# Allegro board PCIe3_0_X16_V1_0-166-20240802_20240828_pcb.brd (continued)
## Nets (continued)
FPGA_DDR4_2_DQ67: U1.AW22(IO_L24P_T3U_N10_66) U13.H7(DQ3)
FPGA_DDR4_2_DQ68: U1.AU18(IO_L23N_T3U_N9_66) U13.H2(DQ4)
FPGA_DDR4_2_DQ69: U1.AT22(IO_L20P_T3L_N2_AD1P_66) U13.H8(DQ5)
FPGA_DDR4_2_DQ70: U1.AU19(IO_L23P_T3U_N8_66) U13.J3(DQ6)
FPGA_DDR4_2_DQ71: U1.AW21(IO_L24N_T3U_N11_66) U13.J7(DQ7)
FPGA_DDR4_2_LDM1_N: U1.AG14(IO_L1P_T0L_N0_DBC_67) U9.E7(LDM_N/LDBI_N)
FPGA_DDR4_2_LDM2_N: U1.AP16(IO_L13P_T2L_N0_GC_QBC_67) U10.E7(LDM_N/LDBI_N)
FPGA_DDR4_2_LDM3_N: U1.AG12(IO_L1P_T0L_N0_DBC_68) U11.E7(LDM_N/LDBI_N)
FPGA_DDR4_2_LDM4_N: U1.AR9(IO_L13P_T2L_N0_GC_QBC_68) U12.E7(LDM_N/LDBI_N)
FPGA_DDR4_2_LDM5_N: U1.AU20(IO_L19P_T3L_N0_DBC_AD9P_66) U13.E7(LDM_N/LDBI_N)
FPGA_DDR4_2_LDQS1_C: U1.AH15(IO_L4N_T0U_N7_DBC_AD7N_67) U9.F3(LDQS_C)
FPGA_DDR4_2_LDQS1_T: U1.AH16(IO_L4P_T0U_N6_DBC_AD7P_67) U9.G3(LDQS_T)
FPGA_DDR4_2_LDQS2_C: U1.AT13(IO_L16N_T2U_N7_QBC_AD3N_67) U10.F3(LDQS_C)
FPGA_DDR4_2_LDQS2_T: U1.AR13(IO_L16P_T2U_N6_QBC_AD3P_67) U10.G3(LDQS_T)
FPGA_DDR4_2_LDQS3_C: U1.AH9(IO_L4N_T0U_N7_DBC_AD7N_68) U11.F3(LDQS_C)
FPGA_DDR4_2_LDQS3_T: U1.AG9(IO_L4P_T0U_N6_DBC_AD7P_68) U11.G3(LDQS_T)
FPGA_DDR4_2_LDQS4_C: U1.AN11(IO_L16N_T2U_N7_QBC_AD3N_68) U12.F3(LDQS_C)
FPGA_DDR4_2_LDQS4_T: U1.AN12(IO_L16P_T2U_N6_QBC_AD3P_68) U12.G3(LDQS_T)
FPGA_DDR4_2_LDQS5_C: U1.AV21(IO_L22N_T3U_N7_DBC_AD0N_66) U13.F3(LDQS_C)
FPGA_DDR4_2_LDQS5_T: U1.AV22(IO_L22P_T3U_N6_DBC_AD0P_66) U13.G3(LDQS_T)
FPGA_DDR4_2_ODT: R147.1 U1.AK20(IO_L8P_T1L_N2_AD5P_66) U9.K3(ODT) U10.K3(ODT) U11.K3(ODT) U12.K3(ODT) U13.K3(ODT)
FPGA_DDR4_2_PAR: R148.1 U1.AG19(IO_L1P_T0L_N0_DBC_66) U9.T3(PAR) U10.T3(PAR) U11.T3(PAR) U12.T3(PAR) U13.T3(PAR)
FPGA_DDR4_2_RAS_N: R138.1 U1.AN19(IO_L11N_T1U_N9_GC_66) U9.L8(RAS_N/A16) U10.L8(RAS_N/A16) U11.L8(RAS_N/A16) U12.L8(RAS_N/A16) U13.L8(RAS_N/A16)
FPGA_DDR4_2_RESET_N: R115.1 U1.AN20(IO_L14N_T2L_N3_GC_66) U9.P1(RESET_N) U10.P1(RESET_N) U11.P1(RESET_N) U12.P1(RESET_N) U13.P1(RESET_N)
FPGA_DDR4_2_UDM1_N: U1.AK15(IO_L7P_T1L_N0_QBC_AD13P_67) U9.E2(UDM_N/UDBI_N)
FPGA_DDR4_2_UDM2_N: U1.AV16(IO_L19P_T3L_N0_DBC_AD9P_67) U10.E2(UDM_N/UDBI_N)
FPGA_DDR4_2_UDM3_N: U1.AL12(IO_L7P_T1L_N0_QBC_AD13P_68) U11.E2(UDM_N/UDBI_N)
FPGA_DDR4_2_UDM4_N: U1.AU9(IO_L19P_T3L_N0_DBC_AD9P_68) U12.E2(UDM_N/UDBI_N)
FPGA_DDR4_2_UDQS1_C: U1.AL16(IO_L10N_T1U_N7_QBC_AD4N_67) U9.A7(UDQS_C)
FPGA_DDR4_2_UDQS1_T: U1.AK16(IO_L10P_T1U_N6_QBC_AD4P_67) U9.B7(UDQS_T)
FPGA_DDR4_2_UDQS2_C: U1.AV17(IO_L22N_T3U_N7_DBC_AD0N_67) U10.A7(UDQS_C)
FPGA_DDR4_2_UDQS2_T: U1.AU17(IO_L22P_T3U_N6_DBC_AD0P_67) U10.B7(UDQS_T)
FPGA_DDR4_2_UDQS3_C: U1.AN7(IO_L10N_T1U_N7_QBC_AD4N_68) U11.A7(UDQS_C)
FPGA_DDR4_2_UDQS3_T: U1.AM7(IO_L10P_T1U_N6_QBC_AD4P_68) U11.B7(UDQS_T)
FPGA_DDR4_2_UDQS4_C: U1.AU12(IO_L22N_T3U_N7_DBC_AD0N_68) U12.A7(UDQS_C)
FPGA_DDR4_2_UDQS4_T: U1.AT12(IO_L22P_T3U_N6_DBC_AD0P_68) U12.B7(UDQS_T)
FPGA_DDR4_2_WE_N: R135.1 U1.AJ22(IO_L6N_T0U_N11_AD6N_66) U9.L2(WE_N/A14) U10.L2(WE_N/A14) U11.L2(WE_N/A14) U12.L2(WE_N/A14) U13.L2(WE_N/A14)
FPGA_DDR4_CLK_1_200M_N: C372.2(CAP1) R39.1 R40.2 R42.2 U1.H31(IO_L12N_T1U_N11_GC_44)
FPGA_DDR4_CLK_1_200M_P: C373.2(CAP1) R38.1 R40.1 R41.2 U1.J31(IO_L12P_T1U_N10_GC_44)
FPGA_DDR4_CLK_2_200M_N: C370.2(CAP1) R63.1 R64.2 R66.2 U1.AM20(IO_L12N_T1U_N11_GC_66)
FPGA_DDR4_CLK_2_200M_P: C371.2(CAP1) R62.1 R64.1 R65.2 U1.AL20(IO_L12P_T1U_N10_GC_66)
FPGA_DONE: Q1.1(GATE) R3.2 U1.U9(DONE_0)
FPGA_EMCCLK: R21.2 R23.2
FPGA_INIT_B: R2.2 R5.1 U1.T10(INIT_B_0)
FPGA_M0: R11.2 R12.2 U1.P9(M0_0)
FPGA_M1: R14.2 R16.2 U1.P8(M1_0)
FPGA_M2: R17.2 R20.2 U1.P10(M2_0)
FPGA_PCIE_RST_N: U1.K12(IO_T1U_N12_47) U19.4(A2)
FPGA_PCIE_SMCLK: U1.N13(IO_T0U_N12_VRP_47) U18.5(A1)
FPGA_PCIE_SMDAT: U1.K11(IO_L6P_T0U_N10_AD6P_47) U18.4(A2)
FPGA_PCIE_WAKE_N: U1.N12(IO_L1P_T0L_N0_DBC_47) U19.5(A1)
FPGA_POR_OVERRIDE: R13.1 R15.1 U1.V8(POR_OVERRIDE)
FPGA_PROGRAM_B: R1.2 U1.V10(PROGRAM_B_0)
FPGA_PUDC_B: R18.2 R19.2 U1.U8(PUDC_B_0)
FPGA_QSFP_CLK_156P25M_N: C15.2(CAP1) U1.N34(MGTREFCLK0N_128)
FPGA_QSFP_CLK_156P25M_P: C14.2(CAP1) U1.N33(MGTREFCLK0P_128)
FPGA_QSFP_IIC_SCL: J3.11(SCL) R153.2 U14.20(B1)
FPGA_QSFP_IIC_SCL_1V8: U1.D9(IO_L19P_T3L_N0_DBC_AD9P_47) U14.1(A1)
FPGA_QSFP_IIC_SDA: J3.12(SDA) R154.2 U14.18(B2)
FPGA_QSFP_IIC_SDA_1V8: U1.C9(IO_L19N_T3L_N1_DBC_AD9N_47) U14.3(A2)
FPGA_QSFP_INTL: J3.28(INTL) R158.2 U14.14(B6)
FPGA_QSFP_INTL_1V8: U1.A9(IO_L20N_T3L_N3_AD1N_47) U14.7(A6)
FPGA_QSFP_LPMODE: J3.31(LPMODE) U14.13(B7)
FPGA_QSFP_LPMODE_1V8: U1.A10(IO_L22N_T3U_N7_DBC_AD0N_47) U14.8(A7)
FPGA_QSFP_MODPRSL: J3.27(MODPRSL) R157.2 U14.15(B5)
FPGA_QSFP_MODPRSL_1V8: U1.B10(IO_L22P_T3U_N6_DBC_AD0P_47) U14.6(A5)
FPGA_QSFP_MODSELL: J3.8(MODSELL) R155.2 U14.17(B3)
FPGA_QSFP_MODSELL_1V8: U1.B11(IO_L21N_T3L_N5_AD8N_47) U14.4(A3)
FPGA_QSFP_RESETL: J3.9(RESETL) R156.2 U14.16(B4)
FPGA_QSFP_RESETL_1V8: U1.B9(IO_L20P_T3L_N2_AD1P_47) U14.5(A4)
FPGA_QSFP_RX_0_N: J3.18(RX1N) U1.G39(MGTYRXN0_128)
FPGA_QSFP_RX_0_P: J3.17(RX1P) U1.G38(MGTYRXP0_128)
FPGA_QSFP_RX_1_N: J3.21(RX2N) U1.E39(MGTYRXN1_128)
FPGA_QSFP_RX_1_P: J3.22(RX2P) U1.E38(MGTYRXP1_128)
FPGA_QSFP_RX_2_N: J3.15(RX3N) U1.C39(MGTYRXN2_128)
FPGA_QSFP_RX_2_P: J3.14(RX3P) U1.C38(MGTYRXP2_128)
FPGA_QSFP_RX_3_N: J3.24(RX4N) U1.B37(MGTYRXN3_128)
FPGA_QSFP_RX_3_P: J3.25(RX4P) U1.B36(MGTYRXP3_128)
FPGA_QSFP_TX_0_N: J3.37(TX1N) U1.F36(MGTYTXN0_128)
FPGA_QSFP_TX_0_P: J3.36(TX1P) U1.F35(MGTYTXP0_128)
FPGA_QSFP_TX_1_N: J3.2(TX2N) U1.D36(MGTYTXN1_128)
FPGA_QSFP_TX_1_P: J3.3(TX2P) U1.D35(MGTYTXP1_128)
FPGA_QSFP_TX_2_N: J3.34(TX3N) U1.C34(MGTYTXN2_128)
FPGA_QSFP_TX_2_P: J3.33(TX3P) U1.C33(MGTYTXP2_128)
FPGA_QSFP_TX_3_N: J3.5(TX4N) U1.A34(MGTYTXN3_128)
FPGA_QSFP_TX_3_P: J3.6(TX4P) U1.A33(MGTYTXP3_128)
FPGA_REFCLK1_156P25M_N: C17.2(CAP1) R46.1 R48.2 U20.12(OUT1_N)
FPGA_REFCLK1_156P25M_P: C16.2(CAP1) R45.1 R47.2 U20.11(OUT1_P)
FPGA_REFCLK2_200M_N: C19.2(CAP1) R54.1 R57.2 U23.12(OUT1_N)
FPGA_REFCLK2_200M_P: C20.2(CAP1) R53.1 R56.2 U23.11(OUT1_P)
FPGA_SFP0_IIC_SCL: P1.A4(A_SDA) R165.2 U15.20(B1)
FPGA_SFP0_IIC_SCL_1V8: U1.H7(IO_L7N_T1L_N1_QBC_AD13N_47) U15.1(A1)
FPGA_SFP0_IIC_SDA: P1.A5(A_SCL) R166.2 U15.18(B2)
FPGA_SFP0_IIC_SDA_1V8: U1.D10(IO_T2U_N12_47) U15.3(A2)
FPGA_SFP0_LOS: P1.A8(A_LOS) R169.2 U15.14(B6)
FPGA_SFP0_LOS_1V8: U1.C11(IO_L21P_T3L_N4_AD8P_47) U15.7(A6)
FPGA_SFP0_MOD_DETECT: P1.A6(A_MOD_ABS) R167.2 U15.15(B5)
FPGA_SFP0_MOD_DETECT_1V8: U1.F7(IO_L16N_T2U_N7_QBC_AD3N_47) U15.6(A5)
FPGA_SFP0_RS0: P1.A7(A_RS0) R161.2 R168.2
FPGA_SFP0_RS1: P1.A9(A_RS1) R162.2 R163.2
FPGA_SFP0_TX_DISABLE: P1.A3(A_TX_DISABLE) R160.2 U15.16(B4)
FPGA_SFP0_TX_DISABLE_1V8: U1.F8(IO_L15P_T2L_N4_AD11P_47) U15.5(A4)
FPGA_SFP0_TX_FAULT: P1.A2(A_TX_FAULT) R159.2 U15.17(B3)
FPGA_SFP0_TX_FAULT_1V8: U1.G7(IO_L16P_T2U_N6_QBC_AD3P_47) U15.4(A3)
FPGA_SFP1_IIC_SCL: P1.B4(B_SDA) R172.2 U15.13(B7)
FPGA_SFP1_IIC_SCL_1V8: U1.E8(IO_L15N_T2L_N5_AD11N_47) U15.8(A7)
FPGA_SFP1_IIC_SDA: P1.B5(B_SCL) R164.2 U15.12(B8)
FPGA_SFP1_IIC_SDA_1V8: U1.B12(IO_L23N_T3U_N9_47) U15.9(A8)
FPGA_SFP1_LOS: P1.B8(B_LOS) R178.2 U16.16(B4)
FPGA_SFP1_LOS_1V8: U1.L10(IO_L5P_T0U_N8_AD14P_47) U16.5(A4)
FPGA_SFP1_MOD_DETECT: P1.B6(B_MOD_ABS) R173.2 U16.17(B3)
FPGA_SFP1_MOD_DETECT_1V8: U1.M9(IO_L2N_T0L_N3_47) U16.4(A3)
FPGA_SFP1_RS0: P1.B7(B_RS0) R174.2 R175.2
FPGA_SFP1_RS1: P1.B9(B_RS1) R176.2 R177.2
FPGA_SFP1_TX_DISABLE: P1.B3(B_TX_DISABLE) R171.2 U16.18(B2)
FPGA_SFP1_TX_DISABLE_1V8: U1.N9(IO_L2P_T0L_N2_47) U16.3(A2)
FPGA_SFP1_TX_FAULT: P1.B2(B_TX_FAULT) R170.2 U16.20(B1)
FPGA_SFP1_TX_FAULT_1V8: U1.L9(IO_L5N_T0U_N9_AD14N_47) U16.1(A1)
FPGA_SFP2_IIC_SCL: P1.C4(C_SDA) R181.2 U16.15(B5)
FPGA_SFP2_IIC_SCL_1V8: U1.K10(IO_L6N_T0U_N11_AD6N_47) U16.6(A5)
FPGA_SFP2_IIC_SDA: P1.C5(C_SCL) R182.2 U16.14(B6)
FPGA_SFP2_IIC_SDA_1V8: U1.M10(IO_L3N_T0L_N5_AD15N_47) U16.7(A6)
FPGA_SFP2_LOS: P1.C8(C_LOS) R188.2 U17.18(B2)
FPGA_SFP2_LOS_1V8: U1.E11(IO_L17P_T2U_N8_AD10P_47) U17.3(A2)
FPGA_SFP2_MOD_DETECT: P1.C6(C_MOD_ABS) R183.2 U17.20(B1)
FPGA_SFP2_MOD_DETECT_1V8: U1.H9(IO_L8P_T1L_N2_AD5P_47) U17.1(A1)
FPGA_SFP2_RS0: P1.C7(C_RS0) R184.2 R185.2
FPGA_SFP2_RS1: P1.C9(C_RS1) R186.2 R187.2
FPGA_SFP2_TX_DISABLE: P1.C3(C_TX_DISABLE) R180.2 U16.12(B8)
FPGA_SFP2_TX_DISABLE_1V8: U1.N11(IO_L1N_T0L_N1_DBC_47) U16.9(A8)
FPGA_SFP2_TX_FAULT: P1.C2(C_TX_FAULT) R179.2 U16.13(B7)
FPGA_SFP2_TX_FAULT_1V8: U1.M11(IO_L3P_T0L_N4_AD15P_47) U16.8(A7)
FPGA_SFP3_IIC_SCL: P1.D4(D_SDA) R191.2 U17.17(B3)
FPGA_SFP3_IIC_SCL_1V8: U1.D11(IO_L17N_T2U_N9_AD10N_47) U17.4(A3)
FPGA_SFP3_IIC_SDA: P1.D5(D_SCL) R192.2 U17.16(B4)
FPGA_SFP3_IIC_SDA_1V8: U1.J10(IO_L9P_T1L_N4_AD12P_47) U17.5(A4)
FPGA_SFP3_LOS: P1.D8(D_LOS) R198.2 U17.12(B8)
FPGA_SFP3_LOS_1V8: U1.C12(IO_L23P_T3U_N8_47) U17.9(A8)
FPGA_SFP3_MOD_DETECT: P1.D6(D_MOD_ABS) R193.2 U17.13(B7)
FPGA_SFP3_MOD_DETECT_1V8: U1.H8(IO_L8N_T1L_N3_AD5N_47) U17.8(A7)
FPGA_SFP3_RS0: P1.D7(D_RS0) R194.2 R195.2
FPGA_SFP3_RS1: P1.D9(D_RS1) R196.2 R197.2
FPGA_SFP3_TX_DISABLE: P1.D3(D_TX_DISABLE) R190.2 U17.14(B6)
FPGA_SFP3_TX_DISABLE_1V8: U1.H11(IO_L11N_T1U_N9_GC_47) U17.7(A6)
FPGA_SFP3_TX_FAULT: P1.D2(D_TX_FAULT) R189.2 U17.15(B5)
FPGA_SFP3_TX_FAULT_1V8: U1.J9(IO_L9N_T1L_N5_AD12N_47) U17.6(A5)
FPGA_SFP_CLK_156P25M_N: C13.2(CAP1) U1.N6(MGTREFCLK0N_228)
FPGA_SFP_CLK_156P25M_P: C12.2(CAP1) U1.N7(MGTREFCLK0P_228)
FPGA_SFP_RX_0_N: P1.A12(A_RXD_N) U1.B3(MGTYRXN3_228)
FPGA_SFP_RX_0_P: P1.A13(A_RXD_P) U1.B4(MGTYRXP3_228)
FPGA_SFP_RX_1_N: P1.B12(B_RXD_N) U1.C1(MGTYRXN2_228)
FPGA_SFP_RX_1_P: P1.B13(B_RXD_P) U1.C2(MGTYRXP2_228)
FPGA_SFP_RX_2_N: P1.C12(C_RXD_N) U1.E1(MGTYRXN1_228)
FPGA_SFP_RX_2_P: P1.C13(C_RXD_P) U1.E2(MGTYRXP1_228)
FPGA_SFP_RX_3_N: P1.D12(D_RXD_N) U1.G1(MGTYRXN0_228)
FPGA_SFP_RX_3_P: P1.D13(D_RXD_P) U1.G2(MGTYRXP0_228)
FPGA_SFP_TX_0_N: P1.A19(A_TXD_N) U1.A6(MGTYTXN3_228)
FPGA_SFP_TX_0_P: P1.A18(A_TXD_P) U1.A7(MGTYTXP3_228)
FPGA_SFP_TX_1_N: P1.B19(B_TXD_N) U1.C6(MGTYTXN2_228)
FPGA_SFP_TX_1_P: P1.B18(B_TXD_P) U1.C7(MGTYTXP2_228)
FPGA_SFP_TX_2_N: P1.C19(C_TXD_N) U1.D4(MGTYTXN1_228)
FPGA_SFP_TX_2_P: P1.C18(C_TXD_P) U1.D5(MGTYTXP1_228)
FPGA_SFP_TX_3_N: P1.D19(D_TXD_N) U1.F4(MGTYTXN0_228)
FPGA_SFP_TX_3_P: P1.D18(D_TXD_P) U1.F5(MGTYTXP0_228)
FPGA_TCK: D4.3 J1.1 R10.2 U1.Y10(TCK_0)
FPGA_TDI: D1.3 J1.9 R7.2 U1.AC9(TDI_0)
FPGA_TDO: D3.3 J1.3 R9.2 U1.Y9(TDO_0)
FPGA_TMS: D2.3 J1.5 R8.2 U1.AD10(TMS_0)
FPGA_VCCINT_0V85: C21.1(CAP2) C22.1(CAP2) C23.1(CAP2) C24.1(CAP2) C27.1(CAP2) C28.1(CAP2) C29.1(CAP2) C35.1(CAP2) C36.1(CAP2) C37.1(CAP2) C40.1(CAP2) C41.1(CAP2) C42.1(CAP2) C43.1(CAP2) C44.1(CAP2) C52.1(CAP2) C53.1(CAP2) C56.1(CAP2) C57.1(CAP2) C58.1(CAP2) C59.1(CAP2) C60.1(CAP2) C61.1(CAP2) C484.1(CAP2) C485.1(CAP2) C486.1(CAP2) CC1.1 CC2.1 CC3.1 CC4.1 L29.1 R13.2 R226.1 TP3.1 U1.AA12(VCCINT#AA12) U1.AA14(VCCINT#AA14) U1.AA18(VCCINT#AA18) U1.AA20(VCCINT#AA20) U1.AA22(VCCINT#AA22) U1.AA24(VCCINT_IO#AA24) U1.AB9(VCCBRAM#AB9) U1.AB11(VCCBRAM#AB11) U1.AB13(VCCINT#AB13) U1.AB17(VCCINT#AB17) U1.AB19(VCCINT#AB19) U1.AB21(VCCINT#AB21) U1.AB23(VCCINT#AB23) U1.AB25(VCCINT_IO#AB25) U1.AC10(VCCBRAM#AC10) U1.AC12(VCCINT#AC12) U1.AC14(VCCINT#AC14) U1.AC16(VCCINT#AC16) U1.AC18(VCCINT#AC18) U1.AC20(VCCINT#AC20) U1.AC22(VCCINT#AC22) U1.AC24(VCCINT_IO#AC24) U1.AD9(VCCBRAM#AD9) U1.AD11(VCCINT#AD11) U1.AD13(VCCINT#AD13) U1.AD15(VCCINT#AD15) U1.AD17(VCCINT#AD17) U1.AD19(VCCINT#AD19) U1.AD21(VCCINT#AD21) U1.AD23(VCCINT#AD23) U1.AD25(VCCINT_IO#AD25) U1.AE10(VCCBRAM#AE10) U1.AE12(VCCINT#AE12) U1.AE14(VCCINT#AE14) U1.AE16(VCCINT#AE16) U1.AE18(VCCINT#AE18) U1.AE20(VCCINT#AE20) U1.AE22(VCCINT#AE22) U1.AE24(VCCINT_IO#AE24) U1.AF11(VCCBRAM#AF11) U1.AF13(VCCINT#AF13) U1.AF17(VCCINT#AF17) U1.AF25(VCCINT_IO#AF25) U1.P13(VCCINT#P13) U1.P15(VCCINT#P15) U1.P17(VCCINT#P17) U1.P19(VCCINT#P19) U1.R10(VCCBRAM#R10) U1.R12(VCCINT#R12) U1.R14(VCCINT#R14) U1.R16(VCCINT#R16) U1.R18(VCCINT#R18) U1.R20(VCCINT#R20) U1.R22(VCCINT#R22) U1.R24(VCCINT_IO#R24) U1.T9(VCCBRAM#T9) U1.T11(VCCINT#T11) U1.T13(VCCINT#T13) U1.T15(VCCINT#T15) U1.T17(VCCINT#T17) U1.T19(VCCINT#T19) U1.T21(VCCINT#T21) U1.T23(VCCINT#T23) U1.T25(VCCINT_IO#T25) U1.U10(VCCBRAM#U10) U1.U12(VCCINT#U12) U1.U14(VCCINT#U14) U1.U16(VCCINT#U16) U1.U18(VCCINT#U18) U1.U20(VCCINT#U20) U1.U22(VCCINT#U22) U1.U24(VCCINT_IO#U24) U1.V9(VCCBRAM#V9) U1.V11(VCCBRAM#V11) U1.V13(VCCINT#V13) U1.V15(VCCINT#V15) U1.V17(VCCINT#V17) U1.V19(VCCINT#V19) U1.V21(VCCINT#V21) U1.V23(VCCINT#V23) U1.V25(VCCINT_IO#V25) U1.W12(VCCINT#W12) U1.W14(VCCINT#W14) U1.W18(VCCINT#W18) U1.W20(VCCINT#W20) U1.W22(VCCINT#W22) U1.W24(VCCINT_IO#W24) U1.Y11(VCCBRAM#Y11) U1.Y13(VCCINT#Y13) U1.Y17(VCCINT#Y17) U1.Y19(VCCINT#Y19) U1.Y21(VCCINT#Y21) U1.Y23(VCCINT#Y23) U1.Y25(VCCINT_IO#Y25)
FPGA_VCCINT_PG: R218.2 U24.3(PGOOD) U25.2(EN)
MGTAVCC: C69.1(CAP2) C70.1(CAP2) C71.1(CAP2) C72.1(CAP2) C73.1(CAP2) C74.1(CAP2) C75.1(CAP2) C76.1(CAP2) C469.1(CAP2) C470.1(CAP2) C471.1(CAP2) C472.1(CAP2) C473.1(CAP2) CC7.1 CC8.1 L33.2 R245.2 TP5.1 U1.AD7(MGTAVCC_R#AD7) U1.AD33(MGTAVCC_L#AD33) U1.AE5(MGTAVCC_R#AE5) U1.AE35(MGTAVCC_L#AE35) U1.AH7(MGTAVCC_R#AH7) U1.AH33(MGTAVCC_L#AH33) U1.AK6(MGTAVCC_R#AK6) U1.AK34(MGTAVCC_L#AK34) U1.K6(MGTAVCC_R#K6) U1.K34(MGTAVCC_L#K34) U1.M7(MGTAVCC_R#M7) U1.M33(MGTAVCC_L#M33) U1.T7(MGTAVCC_R#T7) U1.T33(MGTAVCC_L#T33) U1.Y5(MGTAVCC_R#Y5) U1.Y7(MGTAVCC_R#Y7) U1.Y33(MGTAVCC_L#Y33) U1.Y35(MGTAVCC_L#Y35)
MGTAVCC_PG: R243.2 U26.3(PGOOD) U27.2(EN)
MGTAVTT: C77.1(CAP2) C78.1(CAP2) C79.1(CAP2) C80.1(CAP2) C85.1(CAP2) C86.1(CAP2) C87.1(CAP2) C88.1(CAP2) C417.2(CAP1) C418.1(CAP2) C419.1(CAP2) C474.1(CAP2) C475.1(CAP2) C476.1(CAP2) C477.1(CAP2) C478.1(CAP2) C479.1(CAP2) R32.2 R33.2 U1.AA4(MGTAVTT_R#AA4) U1.AA36(MGTAVTT_L#AA36) U1.AC5(MGTAVTT_R#AC5) U1.AC35(MGTAVTT_L#AC35) U1.AG5(MGTAVTT_R#AG5) U1.AG35(MGTAVTT_L#AG35) U1.AJ5(MGTAVTT_R#AJ5) U1.AJ35(MGTAVTT_L#AJ35) U1.AL5(MGTAVTT_R#AL5) U1.AL35(MGTAVTT_L#AL35) U1.AN5(MGTAVTT_R#AN5) U1.AN35(MGTAVTT_L#AN35) U1.AR5(MGTAVTT_R#AR5) U1.AR35(MGTAVTT_L#AR35) U1.AT6(MGTAVTT_R#AT6) U1.AT34(MGTAVTT_L#AT34) U1.AV7(MGTAVTTRCAL_R) U1.AV33(MGTAVTTRCAL_L) U1.B7(MGTAVTT_R#B7) U1.B33(MGTAVTT_L#B33) U1.D6(MGTAVTT_R#D6) U1.D34(MGTAVTT_L#D34) U1.E5(MGTAVTT_R#E5) U1.E35(MGTAVTT_L#E35) U1.G5(MGTAVTT_R#G5) U1.G35(MGTAVTT_L#G35) U1.J5(MGTAVTT_R#J5) U1.J35(MGTAVTT_L#J35) U1.L5(MGTAVTT_R#L5) U1.L35(MGTAVTT_L#L35) U1.N5(MGTAVTT_R#N5) U1.N35(MGTAVTT_L#N35) U1.R5(MGTAVTT_R#R5) U1.R35(MGTAVTT_L#R35) U1.U5(MGTAVTT_R#U5) U1.U35(MGTAVTT_L#U35) U1.W4(MGTAVTT_R#W4) U1.W36(MGTAVTT_L#W36) U28.15(OUT#15) U28.16(OUT#16) U28.17(OUT#17) U28.18(OUT#18) U28.19(SENSE)
MGTVCCAUX: C81.1(CAP2) C82.1(CAP2) C83.1(CAP2) C84.1(CAP2) C89.1(CAP2) C90.1(CAP2) C91.1(CAP2) C92.1(CAP2) C480.1(CAP2) C481.1(CAP2) C482.1(CAP2) C483.1(CAP2) L9.2 U1.AB7(MGTVCCAUX_R#AB7) U1.AB33(MGTVCCAUX_L#AB33) U1.AF7(MGTVCCAUX_R#AF7) U1.AF33(MGTVCCAUX_L#AF33) U1.P7(MGTVCCAUX_R#P7) U1.P33(MGTVCCAUX_L#P33) U1.V7(MGTVCCAUX_R#V7) U1.V33(MGTVCCAUX_L#V33)
MGTVCCAUX_1V8: C68.1(CAP2) L9.1 L40.2
PCIE_PRSNT_N: P2.A1(PRSNT#1) R204.1 R205.1
PCIE_REFCLK_N: C320.2(CAP1) U1.AE6(MGTREFCLK0N_225)
PCIE_REFCLK_P: C319.2(CAP1) U1.AE7(MGTREFCLK0P_225)
PCIE_RST_N: R203.2 U19.1(B2)
PCIE_RXD_0_N: P2.B15(PETN0) U1.J1(MGTYRXN3_227)
PCIE_RXD_0_P: P2.B14(PETP0) U1.J2(MGTYRXP3_227)
PCIE_RXD_1_N: P2.B20(PETN1) U1.L1(MGTYRXN2_227)
PCIE_RXD_1_P: P2.B19(PETP1) U1.L2(MGTYRXP2_227)
PCIE_RXD_2_N: P2.B24(PETN2) U1.N1(MGTYRXN1_227)
PCIE_RXD_2_P: P2.B23(PETP2) U1.N2(MGTYRXP1_227)
PCIE_RXD_3_N: P2.B28(PETN3) U1.R1(MGTYRXN0_227)
PCIE_RXD_3_P: P2.B27(PETP3) U1.R2(MGTYRXP0_227)
PCIE_RXD_4_N: P2.B34(PETN4) U1.U1(MGTYRXN3_226)
PCIE_RXD_4_P: P2.B33(PETP4) U1.U2(MGTYRXP3_226)
PCIE_RXD_5_N: P2.B38(PETN5) U1.W1(MGTYRXN2_226)
PCIE_RXD_5_P: P2.B37(PETP5) U1.W2(MGTYRXP2_226)
PCIE_RXD_6_N: P2.B42(PETN6) U1.AA1(MGTYRXN1_226)
PCIE_RXD_6_P: P2.B41(PETP6) U1.AA2(MGTYRXP1_226)
PCIE_RXD_7_N: P2.B46(PETN7) U1.AC1(MGTYRXN0_226)
PCIE_RXD_7_P: P2.B45(PETP7) U1.AC2(MGTYRXP0_226)
PCIE_RXD_8_N: P2.B51(PETN8) U1.AE1(MGTYRXN3_225)
PCIE_RXD_8_P: P2.B50(PETP8) U1.AE2(MGTYRXP3_225)
PCIE_RXD_9_N: P2.B55(PETN9) U1.AG1(MGTYRXN2_225)
PCIE_RXD_9_P: P2.B54(PETP9) U1.AG2(MGTYRXP2_225)
PCIE_RXD_10_N: P2.B59(PETN10) U1.AJ1(MGTYRXN1_225)
PCIE_RXD_10_P: P2.B58(PETP10) U1.AJ2(MGTYRXP1_225)
PCIE_RXD_11_N: P2.B63(PETN11) U1.AL1(MGTYRXN0_225)
PCIE_RXD_11_P: P2.B62(PETP11) U1.AL2(MGTYRXP0_225)
PCIE_RXD_12_N: P2.B67(PETN12) U1.AN1(MGTYRXN3_224)
PCIE_RXD_12_P: P2.B66(PETP12) U1.AN2(MGTYRXP3_224)
PCIE_RXD_13_N: P2.B71(PETN13) U1.AR1(MGTYRXN2_224)
PCIE_RXD_13_P: P2.B70(PETP13) U1.AR2(MGTYRXP2_224)
PCIE_RXD_14_N: P2.B75(PETN14) U1.AU1(MGTYRXN1_224)
PCIE_RXD_14_P: P2.B74(PETP14) U1.AU2(MGTYRXP1_224)
PCIE_RXD_15_N: P2.B79(PETN15) U1.AV3(MGTYRXN0_224)
PCIE_RXD_15_P: P2.B78(PETP15) U1.AV4(MGTYRXP0_224)
PCIE_SMCLK: P2.B5(SMCLK) R200.2 U18.8(B1)
PCIE_SMDAT: P2.B6(SMDAT) R199.2 U18.1(B2)
PCIE_TXD_0_N: C322.1(CAP2) U1.H4(MGTYTXN3_227)
PCIE_TXD_0_P: C321.1(CAP2) U1.H5(MGTYTXP3_227)
PCIE_TXD_1_N: C324.1(CAP2) U1.K4(MGTYTXN2_227)
PCIE_TXD_1_P: C323.1(CAP2) U1.K5(MGTYTXP2_227)
PCIE_TXD_2_N: C326.1(CAP2) U1.M4(MGTYTXN1_227)
PCIE_TXD_2_P: C325.1(CAP2) U1.M5(MGTYTXP1_227)
PCIE_TXD_3_N: C328.1(CAP2) U1.P4(MGTYTXN0_227)
PCIE_TXD_3_P: C327.1(CAP2) U1.P5(MGTYTXP0_227)
PCIE_TXD_4_N: C332.1(CAP2) U1.T4(MGTYTXN3_226)
PCIE_TXD_4_P: C331.1(CAP2) U1.T5(MGTYTXP3_226)
PCIE_TXD_5_N: C334.1(CAP2) U1.V4(MGTYTXN2_226)
PCIE_TXD_5_P: C333.1(CAP2) U1.V5(MGTYTXP2_226)
PCIE_TXD_6_N: C336.1(CAP2) U1.AB4(MGTYTXN1_226)
PCIE_TXD_6_P: C335.1(CAP2) U1.AB5(MGTYTXP1_226)
PCIE_TXD_7_N: C338.1(CAP2) U1.AD4(MGTYTXN0_226)
PCIE_TXD_7_P: C337.1(CAP2) U1.AD5(MGTYTXP0_226)
PCIE_TXD_8_N: C340.1(CAP2) U1.AF4(MGTYTXN3_225)
PCIE_TXD_8_P: C339.1(CAP2) U1.AF5(MGTYTXP3_225)
PCIE_TXD_9_N: C344.1(CAP2) U1.AH4(MGTYTXN2_225)
PCIE_TXD_9_P: C343.1(CAP2) U1.AH5(MGTYTXP2_225)
PCIE_TXD_10_N: C346.1(CAP2) U1.AK4(MGTYTXN1_225)
PCIE_TXD_10_P: C345.1(CAP2) U1.AK5(MGTYTXP1_225)
PCIE_TXD_11_N: C348.1(CAP2) U1.AM4(MGTYTXN0_225)
PCIE_TXD_11_P: C347.1(CAP2) U1.AM5(MGTYTXP0_225)
PCIE_TXD_12_N: C350.1(CAP2) U1.AP4(MGTYTXN3_224)
PCIE_TXD_12_P: C349.1(CAP2) U1.AP5(MGTYTXP3_224)
PCIE_TXD_13_N: C352.1(CAP2) U1.AT4(MGTYTXN2_224)
PCIE_TXD_13_P: C351.1(CAP2) U1.AT5(MGTYTXP2_224)
PCIE_TXD_14_N: C354.1(CAP2) U1.AU6(MGTYTXN1_224)
PCIE_TXD_14_P: C353.1(CAP2) U1.AU7(MGTYTXP1_224)
PCIE_TXD_15_N: C356.1(CAP2) U1.AW6(MGTYTXN0_224)
PCIE_TXD_15_P: C355.1(CAP2) U1.AW7(MGTYTXP0_224)
PCIE_VCC3V3: P2.A9(+3.3V#A9) P2.A10(+3.3V#A10) P2.B8(+3.3V#B8) R201.1
PCIE_WAKE_N: R201.2 R202.1 U19.8(B1)
PCIE_WIDTH_X8: P2.B48(PRSNT#2_3) R204.2
PCIE_WIDTH_X16: P2.B81(PRSNTNX16) R205.2
QSFP_CLK_156P25M_N: C15.1(CAP2) U20.14(OUT2_N)
QSFP_CLK_156P25M_P: C14.1(CAP2) U20.13(OUT2_P)
REFCLK_LVDS_200M_N: R215.1 U22.5(CLKN) U23.4(IN1_N)
REFCLK_LVDS_200M_P: R215.2 U22.4(CLKP) U23.3(IN1_P)
SFP0_LED: R52.2 U1.J11(IO_L11P_T1U_N8_GC_47)
SFP1_LED: R51.2 U1.C13(IO_T3U_N12_47)
SFP2_LED: R50.2 U1.F12(IO_L18P_T2U_N10_AD2P_47)
SFP3_LED: R49.2 U1.H12(IO_L10P_T1U_N6_QBC_AD4P_47)
SFP_CLK_156P25M_N: C13.1(CAP2) U20.10(OUT0_N)
SFP_CLK_156P25M_P: C12.1(CAP2) U20.9(OUT0_P)
SMA_REFCLK_LVCMOS1V8: C18.1(CAP2) J2.1(SIG) R55.1
VCXO_156P25M_N: R209.1 U20.4(IN1_N) U21.5(CLKN)
VCXO_156P25M_P: R209.2 U20.3(IN1_P) U21.4(CLKP)
VREG_0V9: C401.1(CAP2) R242.1 R243.1 U26.18(VREG)
VREG_1V2: C445.1(CAP2) R280.1 R285.1 U32.18(VREG)
VREG_1V5: C410.1(CAP2) R248.1 R253.1 U27.18(VREG)
VREG_1V8: C392.1(CAP2) R228.1 R233.1 U25.18(VREG)
VREG_3V3: C428.1(CAP2) R263.1 R268.1 U29.18(VREG)
VREG_VCCINT: C375.2(CAP1) R218.1 U24.18(VREG)
VTTDDR4_1: C157.1(CAP2) C158.1(CAP2) C159.1(CAP2) C160.1(CAP2) C161.1(CAP2) C162.1(CAP2) C163.1(CAP2) C164.1(CAP2) C165.1(CAP2) C166.1(CAP2) C167.1(CAP2) C168.1(CAP2) C169.1(CAP2) C451.1(CAP2) C452.1(CAP2) C453.1(CAP2) R78.2 R79.2 R80.2 R82.2 R83.2 R84.2 R85.2 R86.2 R87.2 R88.2 R89.2 R90.2 R91.2 R92.2 R93.2 R95.2 R96.2 R98.2 R100.2 R101.2 R102.2 R103.2 R104.2 R105.2 R106.2 TP11.1 U33.3(VO) U33.5(VOSNS)
VTTDDR4_2: C246.1(CAP2) C247.1(CAP2) C248.1(CAP2) C249.1(CAP2) C250.1(CAP2) C251.1(CAP2) C252.1(CAP2) C253.1(CAP2) C254.1(CAP2) C255.1(CAP2) C256.1(CAP2) C257.1(CAP2) C258.1(CAP2) C460.1(CAP2) C461.1(CAP2) C462.1(CAP2) R120.2 R121.2 R122.2 R123.2 R124.2 R125.2 R126.2 R127.2 R129.2 R130.2 R131.2 R132.2 R133.2 R134.2 R135.2 R137.2 R138.2 R141.2 R142.2 R143.2 R144.2 R145.2 R146.2 R147.2 R148.2 TP13.1 U34.3(VO) U34.5(VOSNS)
VTTVREF_DDR4_1: C93.1(CAP2) C94.1(CAP2) C123.1(CAP2) C124.1(CAP2) C153.1(CAP2) C454.1(CAP2) C455.1(CAP2) TP12.1 U4.M1(VREFCA) U5.M1(VREFCA) U6.M1(VREFCA) U7.M1(VREFCA) U8.M1(VREFCA) U33.6(REFOUT)
VTTVREF_DDR4_2: C182.1(CAP2) C183.1(CAP2) C212.1(CAP2) C213.1(CAP2) C242.1(CAP2) C463.1(CAP2) C464.1(CAP2) TP14.1 U9.M1(VREFCA) U10.M1(VREFCA) U11.M1(VREFCA) U12.M1(VREFCA) U13.M1(VREFCA) U34.6(REFOUT)
$45N300: DS2.2 Q2.3(DRAIN)
$45N301: DS2.1 R291.2
N16762349: C2.1(CAP2) L1.2 U1.W16(VCCADC)
N16789769: R27.2 U2.C6(WP_B)
N16789847: R29.2 U2.F7(WAIT)
N16789987: R30.1 U2.B8(A26)
N16790074: C5.1(CAP2) C6.1(CAP2) C7.1(CAP2) C8.1(CAP2) C9.1(CAP2) L4.1 U2.A4(VPP) U2.A6(VCC1) U2.D5(VCCQ1) U2.D6(VCCQ2) U2.G4(VCCQ3) U2.H3(VCC2)
N16799292: R31.1 U2.H1(A27)
N16802147: Q1.3(DRAIN) R4.1
N16802293: DS1.2 R4.2
N16814962: R33.1 U1.AV6(MGTRREF_R)
N16842391: C322.2(CAP1) P2.A17(PERN0)
N16842394: C321.2(CAP1) P2.A16(PERP0)
N16842471: C324.2(CAP1) P2.A22(PERN1)
N16842473: C323.2(CAP1) P2.A21(PERP1)
N16842537: C326.2(CAP1) P2.A26(PERN2)
N16842539: C325.2(CAP1) P2.A25(PERP2)
N16842603: C328.2(CAP1) P2.A30(PERN3)
N16842605: C327.2(CAP1) P2.A29(PERP3)
N16842669: C332.2(CAP1) P2.A36(PERN4)
N16842671: C331.2(CAP1) P2.A35(PERP4)
N16842735: C334.2(CAP1) P2.A40(PERN5)
N16842737: C333.2(CAP1) P2.A39(PERP5)
N16842801: C336.2(CAP1) P2.A44(PERN6)
N16842803: C335.2(CAP1) P2.A43(PERP6)
N16842867: C338.2(CAP1) P2.A48(PERN7)
N16842869: C337.2(CAP1) P2.A47(PERP7)
N16842933: C340.2(CAP1) P2.A53(PERN8)
N16842935: C339.2(CAP1) P2.A52(PERP8)
N16842999: C344.2(CAP1) P2.A57(PERN9)
N16843001: C343.2(CAP1) P2.A56(PERP9)
N16843065: C346.2(CAP1) P2.A61(PERN10)
N16843067: C345.2(CAP1) P2.A60(PERP10)
N16843131: C348.2(CAP1) P2.A65(PERN11)
N16843133: C347.2(CAP1) P2.A64(PERP11)
N16843197: C350.2(CAP1) P2.A69(PERN12)
N16843199: C349.2(CAP1) P2.A68(PERP12)
N16843263: C352.2(CAP1) P2.A73(PERN13)
N16843265: C351.2(CAP1) P2.A72(PERP13)
N16843329: C354.2(CAP1) P2.A77(PERN14)
N16843331: C353.2(CAP1) P2.A76(PERP14)
N16843395: C356.2(CAP1) P2.A81(PERN15)
N16843397: C355.2(CAP1) P2.A80(PERP15)
N16845868: P2.A11(PERST) R203.1
N16846869: C319.1(CAP2) P2.A13(REFCLK+)
N16846872: C320.1(CAP2) P2.A14(REFCLK-)
N16851432: C363.2(CAP1) TP1.1 U20.8(VAC_REF0)
N16851482: C357.2(CAP1) L24.1 R207.2 U21.6(VDD)
N16851524: R207.1 U21.1(OE)
N16851626: C359.1(CAP2) C360.2(CAP1) C361.2(CAP1) C362.2(CAP1) L25.2 R208.1 U20.5(VDD)
N16851763: R210.1 U20.6(IN0_P)
N16851767: R211.1 U20.7(IN0_N)
N16852110: C16.1(CAP2) U1.F10(IO_L13P_T2L_N0_GC_QBC_47)
N16852112: C17.1(CAP2) U1.E10(IO_L13N_T2L_N1_GC_QBC_47)
N16871454: R208.2 U20.2(IN_SEL)
N16871901: R213.2 U22.1(OE)
N16871904: C364.2(CAP1) L26.1 R213.1 U22.6(VDD)
N16872741: C366.1(CAP2) C367.2(CAP1) C368.2(CAP1) C369.2(CAP1) L27.2 R214.1 U23.5(VDD)
N16872743: R214.2 U23.2(IN_SEL)
N16873165: C374.2(CAP1) TP2.1 U23.8(VAC_REF0)
N16873548: R216.1 U23.6(IN0_P)
N16873553: R217.1 U23.7(IN0_N)
N16885377: R70.1 U4.F9(ZQ)
N16889070: R72.1 U5.F9(ZQ)
N16891334: R69.2 U4.N9(TEN)
N16891850: R71.2 U5.N9(TEN)
N16893653: R75.1 U6.F9(ZQ)
N16894245: R77.1 U7.F9(ZQ)
N16894558: R74.2 U6.N9(TEN)
N16894677: R76.2 U7.N9(TEN)
N16896749: R112.1 U9.F9(ZQ)
N16897341: R114.1 U10.F9(ZQ)
N16897671: R111.2 U9.N9(TEN)
N16897790: R113.2 U10.N9(TEN)
N16905264: R117.1 U11.F9(ZQ)
N16905856: R119.1 U12.F9(ZQ)
N16906169: R116.2 U11.N9(TEN)
N16906288: R118.2 U12.N9(TEN)
N16916920: C372.1(CAP2) U23.10(OUT0_N)
N16916923: C373.1(CAP2) U23.9(OUT0_P)
N16922548: R44.2 U1.P28(VREF_44)
N16922617: R37.2 U1.P23(VREF_45)
N16922663: R35.2 U1.P21(VREF_46)
N16926271: R68.2 U1.AF18(VREF_66)
N16926430: R59.2 U1.AF12(VREF_68)
N16926476: R61.2 U1.AF16(VREF_67)
N16934040: C378.1(CAP2) C379.1(CAP2) C380.1(CAP2) C381.1(CAP2) C382.1(CAP2) C383.1(CAP2) C384.1(CAP2) L28.2 U24.12(VIN) U24.13(VIN_1) U24.14(VIN_2) U24.15(VIN_3) U24.16(VIN_4) U24.17(VIN_5) U24.19(VDD)
N16934962: C376.1(CAP2) L29.2 R227.1 U24.6(SW) U24.7(SW_1) U24.8(SW_2) U24.9(SW_3) U24.10(SW_4) U24.11(SW_5)
N16935168: R224.1 U24.4(VBST)
N16935173: C376.2(CAP1) R224.2
N16935346: C385.2(CAP1) R227.2
N16935448: R221.1 U24.22(RF)
N16935455: R220.1 U24.21(TRIP)
N16935462: R219.1 U24.20(MODE)
N16937065: R223.2 R226.2 U24.1(VFB)
N16937174: R222.2 R225.1 U24.2(EN)
N16938331: C387.1(CAP2) C388.1(CAP2) C389.1(CAP2) C390.1(CAP2) C391.1(CAP2) L30.2 U25.12(VIN) U25.13(VIN_1) U25.14(VIN_2) U25.15(VIN_3) U25.16(VIN_4) U25.17(VIN_5) U25.19(VDD)
N16938383: R230.2 U25.20(MODE)
N16938387: R231.2 U25.21(TRIP)
N16938391: R232.2 R233.2 U25.22(RF)
N16938407: C393.1(CAP2) L31.1 R237.1 U25.6(SW) U25.7(SW_1) U25.8(SW_2) U25.9(SW_3) U25.10(SW_4) U25.11(SW_5)
N16938429: R229.2 R234.1 U25.1(VFB)
N16938437: R236.1 U25.4(VBST)
N16938445: C393.2(CAP1) R236.2
N16951014: C436.2(CAP1) C437.1(CAP2) L42.1 R277.2 TP9.1 U31.1(OUT) U31.2(OUT_1)
N16951020: C436.1(CAP2) R277.1 R279.1 U31.3(FB)
N16951039: R276.2 U31.5(PG)
N16951043: C435.1(CAP2) L41.2 R278.1 U31.6(SS_CTRL) U31.9(IN) U31.10(IN_1)
N16951091: C438.2(CAP1) U31.8(NR_SS)
N16951254: R278.2 U31.7(EN)
N16959143: R108.1 U8.F9(ZQ)
N16959278: R107.2 U8.N9(TEN)
N16964872: R150.1 U13.F9(ZQ)
N16965007: R149.2 U13.N9(TEN)
N17001920: C273.1(CAP2) C276.1(CAP2) J3.29(VCCTX) L14.2
N17001923: C277.1(CAP2) C278.1(CAP2) J3.30(VCCL) L15.2
N17001939: C271.1(CAP2) C272.1(CAP2) J3.10(VCCRX) L13.2
N17005157: C279.1(CAP2) C280.1(CAP2) L16.2 P1.A15(A_VCCR)
N17005403: C286.1(CAP2) C287.1(CAP2) L17.2 P1.A16(A_VCCT)
N17005939: C283.1(CAP2) C284.1(CAP2) L18.2 P1.B15(B_VCCR)
N17006006: C289.1(CAP2) C290.1(CAP2) L19.2 P1.B16(B_VCCT)
N17006394: C291.1(CAP2) C292.1(CAP2) L20.2 P1.C15(C_VCCR)
N17006461: C295.1(CAP2) C296.1(CAP2) L21.2 P1.C16(C_VCCT)
N17006887: C297.1(CAP2) C298.1(CAP2) L22.2 P1.D15(D_VCCR)
N17006954: C301.1(CAP2) C302.1(CAP2) L23.2 P1.D16(D_VCCT)
N17028921: C396.1(CAP2) C397.1(CAP2) C398.1(CAP2) C399.1(CAP2) C400.1(CAP2) L32.2 U26.12(VIN) U26.13(VIN_1) U26.14(VIN_2) U26.15(VIN_3) U26.16(VIN_4) U26.17(VIN_5) U26.19(VDD)
N17028973: R239.2 U26.20(MODE)
N17028977: R240.2 U26.21(TRIP)
N17028981: R241.2 R242.2 U26.22(RF)
N17028997: C402.1(CAP2) L33.1 R247.1 U26.6(SW) U26.7(SW_1) U26.8(SW_2) U26.9(SW_3) U26.10(SW_4) U26.11(SW_5)
N17029019: R238.2 R245.1 U26.1(VFB)
N17029027: R244.1 U26.4(VBST)
N17029031: C402.2(CAP1) R244.2
N17033354: C405.1(CAP2) C406.1(CAP2) C407.1(CAP2) C408.1(CAP2) C409.1(CAP2) L34.2 U27.12(VIN) U27.13(VIN_1) U27.14(VIN_2) U27.15(VIN_3) U27.16(VIN_4) U27.17(VIN_5) U27.19(VDD)
N17033435: R250.2 U27.20(MODE)
N17033439: R251.2 U27.21(TRIP)
N17033443: R252.2 R253.2 U27.22(RF)
N17033459: C411.1(CAP2) L35.1 R257.1 U27.6(SW) U27.7(SW_1) U27.8(SW_2) U27.9(SW_3) U27.10(SW_4) U27.11(SW_5)
N17033481: R249.2 R255.1 U27.1(VFB)
N17033487: R254.1 U27.4(VBST)
N17033491: C411.2(CAP1) R254.2
N17035498: C423.1(CAP2) C424.1(CAP2) C425.1(CAP2) C426.1(CAP2) C427.1(CAP2) L37.2 U29.12(VIN) U29.13(VIN_1) U29.14(VIN_2) U29.15(VIN_3) U29.16(VIN_4) U29.17(VIN_5) U29.19(VDD)
N17035579: R265.2 U29.20(MODE)
N17035583: R266.2 U29.21(TRIP)
N17035587: R267.2 R268.2 U29.22(RF)
N17035603: C429.1(CAP2) L38.1 R272.1 U29.6(SW) U29.7(SW_1) U29.8(SW_2) U29.9(SW_3) U29.10(SW_4) U29.11(SW_5)
N17035625: R264.2 R270.1 U29.1(VFB)
N17035631: R269.1 U29.4(VBST)
N17035635: C429.2(CAP1) R269.2
N17039283: C440.1(CAP2) C441.1(CAP2) C442.1(CAP2) C443.1(CAP2) C444.1(CAP2) L43.2 U32.12(VIN) U32.13(VIN_1) U32.14(VIN_2) U32.15(VIN_3) U32.16(VIN_4) U32.17(VIN_5) U32.19(VDD)
N17039331: R280.2 U32.3(PGOOD)
N17039335: R282.2 U32.20(MODE)
N17039339: R283.2 U32.21(TRIP)
N17039343: R284.2 R285.2 U32.22(RF)
N17039359: C446.1(CAP2) L44.2 U32.6(LL) U32.7(LL_1) U32.8(LL_2) U32.9(LL_3) U32.10(LL_4) U32.11(LL_5)
N17039381: R281.2 R286.1 U32.1(VFB)
N17039389: R287.1 U32.4(VBST)
N17039397: C446.2(CAP1) R287.2
N17054061: C415.1(CAP2) C416.1(CAP2) L36.2 U28.5(IN#5) U28.6(IN#6) U28.7(IN#7) U28.8(IN#8)
N17055839: C421.1(CAP2) U28.1(VIOC)
N17056138: C420.1(CAP2) U28.3(REF/BYP)
N17056350: R262.2 U28.25(VO2)
N17057824: R261.2 U28.2(PWRGD)
N17057839: R260.2 U28.28(EN)
N17058562: R259.2 U28.23(VO0)
N17058567: R258.2 U28.24(VO1)
N17063199: C447.1(CAP2) C448.1(CAP2) L45.2 U33.2(VLDOIN)
N17063215: C450.1(CAP2) L46.1 U33.7(EN) U33.10(VIN)
N17063497: C449.1(CAP2) R288.2 R289.1 U33.1(REFIN)
N17068696: C456.1(CAP2) C457.1(CAP2) L47.2 U34.2(VLDOIN)
N17068710: C459.1(CAP2) L48.1 U34.7(EN) U34.10(VIN)
N17068920: C458.1(CAP2) R293.2 R294.1 U34.1(REFIN)
N17069675: R212.1 U23.16(OUT3_N)
N17069689: R212.2 U23.15(OUT3_P)
N17073406: R97.2 U8.B7(UDQS_T)
N17073416: R99.2 U8.A7(UDQS_C)
N17073860: R94.1 U8.E2(UDM_N/UDBI_N)
N17074111: R139.2 U13.B7(UDQS_T)
N17074114: R140.2 U13.A7(UDQS_C)
N17074469: R136.1 U13.E2(UDM_N/UDBI_N)
N17081159: D5.5 D5.6 D5.7 D5.8 L5.1
N17081235: D5.1 R52.1
N17081237: D5.3 R50.1
N17081239: D5.2 R51.1
N17081241: D5.4 R49.1
N17114545: P2.B11(WAKE#) R202.2
N17117575: C465.2 MH1.1 R296.2
N17129760: R206.2 U20.15(OUT3_P)
N17129770: R206.1 U20.16(OUT3_N)
N17130328: C20.1(CAP2) U1.F15(IO_L14P_T2L_N2_GC_48)
N17130342: C19.1(CAP2) U1.F14(IO_L14N_T2L_N3_GC_48)
N17184870: C394.2(CAP1) R237.2
N17185026: C403.2(CAP1) R247.2
N17185729: C413.2(CAP1) R257.2
N17187654: C432.2(CAP1) R272.2
N17188206: Q4.1(GATE) R302.1 R303.1
N17188208: Q3.4(G) R299.2 R301.1
N17188296: C467.1(CAP2) L50.2 Q3.5(S1) R299.1
N17188465: J6.1(P1) L49.1
N17188545: J6.4(P4) R300.1
N17188761: J6.3(P3) L51.2
N17188811: J6.2(P2) R298.1
N17207091: R32.1 U1.AV34(MGTRREF_L)
N17207391: R235.1 U25.5(ROVP)
N17208468: R256.1 U27.5(ROVP)
N17209058: R246.1 U26.5(ROVP)
N17209416: R271.1 U29.5(ROVP)
N17212197: R34.1 U1.C22(IO_T0U_N12_VRP_46)
N17212244: R36.1 U1.A27(IO_T0U_N12_VRP_45)
N17212562: R43.1 U1.L28(IO_T0U_N12_VRP_44)
N17212633: R58.1 U1.AF10(IO_T0U_N12_VRP_68)
N17212665: R60.1 U1.AG13(IO_T0U_N12_VRP_67)
N17212971: R67.1 U1.AJ18(IO_T0U_N12_VRP_66)
N17214535: Q4.3(DRAIN) R301.2
N17215610: R21.1 U1.AJ28(IO_L24P_T3U_N10_EMCCLK_65)
N17215747: R23.1 U3.3(OUT)
N17215756: C4.1(CAP2) L3.1 R22.2 U3.4(VCC)
N17215758: R22.1 U3.1(OE)
N17216381: R274.2 R275.1 U30.4(ADJ)
N17216385: C433.1(CAP2) L40.1 R274.1 TP8.1 U30.5(VOUT)
N17216496: C431.1(CAP2) L39.2 R273.1 U30.1(VDD)
N17216836: R273.2 U30.3(CE)
N17239270: C154.2(CAP1) R109.1 R110.1
N17239503: C243.2(CAP1) R151.1 R152.1
N17243696: R55.2 U1.K15(IO_L11P_T1U_N8_GC_48)
N17278385: TP16.1 U1.D13(IO_T2U_N12_48)
N17278388: TP17.1 U1.D14(IO_L19P_T3L_N0_DBC_AD9P_48)
N17278391: TP18.1 U1.D16(IO_L20P_T3L_N2_AD1P_48)
N17278416: TP19.1 U1.C16(IO_L21P_T3L_N4_AD8P_48)
N17278419: TP20.1 U1.B15(IO_L22P_T3U_N6_DBC_AD0P_48)
N17278433: TP22.1 U1.J16(IO_L12P_T1U_N10_GC_48)
N17278487: TP21.1 U1.B14(IO_L23P_T3U_N8_48)
N17366227: C370.1(CAP2) U23.14(OUT2_N)
N17366241: C371.1(CAP2) U23.13(OUT2_P)

Pads without a net: J1 6 7 8; MH2 1; MH3 1; MH4 1; NOREF#3 1; NOREF#20 1; NOREF#31 1; NOREF#32 1; NOREF#33 1; NOREF#34 1; P2 A5 A6 A7 A8 A19 A32 A33 A50 B9 B10 B12 B17 B30 B31 B82; U1 A12 A13 A14 A15 A17 A20 A24 A30 AA6 AA7 AA33 AA34 AB35 AB36 AC6 AC7 AC33 AC34 AD35 AD36 AE33 AE34 AF22 AF23 AF26 AF27 AF35 AF36 AG6 AG7 AG22 AG23 AG24 AG25 AG29 AG33 AG34 AH11 AH14 AH24 AH25 AH26 AH29 AH35 AH36 AJ6 AJ7 AJ23 AJ24 AJ26 AJ27 AJ29 AJ31 AJ33 AJ34 AK13 AK14 AK23 AK24 AK25 AK26 AK35 AK36 AL11 AL22 AL23 AL25 AL26 AL27 AM12 AM23 AM24 AM25 AM27 AM35 AM36 AN22 AN24 AN25 AN26 AN27 AP7 AP13 AP18 AP19 AP22 AP23 AP24 AP26 AP27 AP35 AP36 AR8 AR16 AR20 AR23 AR24 AR25 AR26 AT18 AT20 AT21 AT23 AT25 AT26 AT27 AT35 AT36 AU14 AU23 AU24 AU25 AU27 AU28 AU29 AU33 AU34 AV9 AV20 AV24 AV25 AV26 AV27 AW9 AW16 AW23 AW24 AW26 AW27 AW28 AW29 AW33 AW34 B16 B17 C14 C17 D15 D19 D20 D24 D26 D29 E12 E15 E17 E28 E30 E32 F9 F17 F28 F29 F32 F33 G9 G10 G11 G12 G14 G15 G16 G17 G29 H13 H14 H16 H17 H21 H27 H35 H36 J8 J13 J14 J15 J21 K13 K16 K17 K27 K35 K36 L6 L7 L12 L13 L14 L15 L17 L33 L34 M12 M14 M15 M16 M17 M35 M36 N14 N16 N17 N18 N21 N23 P11 P14 P16 P18 P20 P26 P35 P36 R6 R7 R33 R34 T35 T36 U6 U7 U33 U34 V35 V36 W6 W7 W33 W34; U2 E8 F1 G2; U4 T7; U5 T7; U6 T7; U7 T7; U8 A3 B8 C2 C3 C7 C8 D3 D7 T7; U9 T7; U10 T7; U11 T7; U12 T7; U13 A3 B8 C2 C3 C7 C8 D3 D7 T7; U14 9 12; U21 2; U22 2; U24 5; U28 21 22; U32 5; U35 1 2 3 4

## Via types
v1: diameter 0.457, hole 0.203, TOP to BOTTOM, 2991 vias
v2: diameter 0.559, hole 0.254, TOP to BOTTOM, 1150 vias
v3: diameter 0.635, hole 0.305, TOP to BOTTOM, 113 vias
v4: diameter 0.406, hole 0.203, TOP to BOTTOM, 37 vias
